# Altium PCB PCB.PcbDoc (part 8 of 10) (continued)
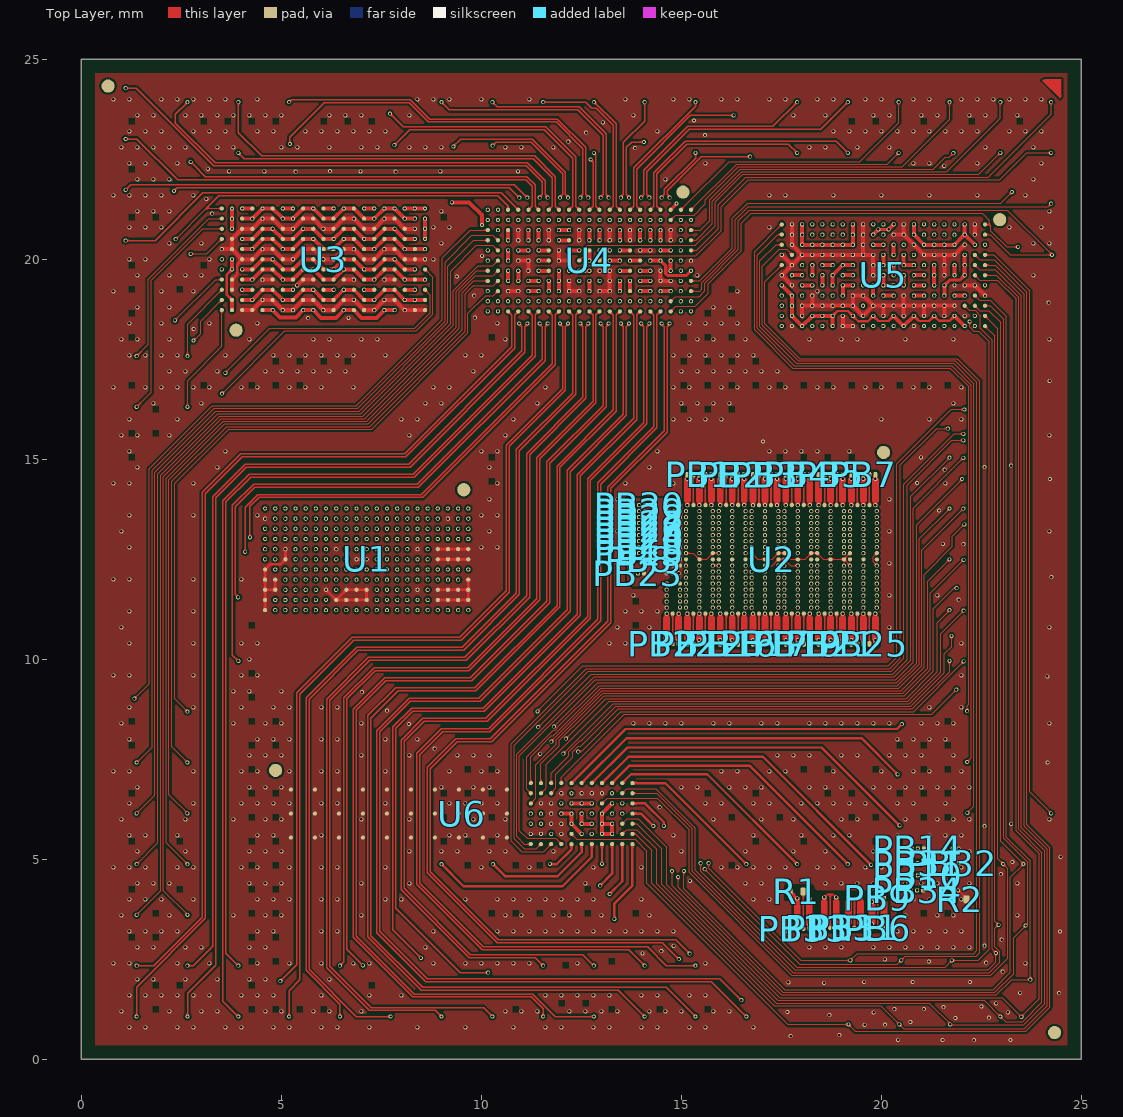
[diagram p0: Top Layer view]
## Nets (pads, with @x,y where several pads share a name; then routed paths per layer and width w, separated by ;. In a path a pad name is that pad's centre, name@x,y a point inside that pad or via, vN(x,y) a via of type N, cw(c..) or ccw(c..) an arc to the next point about the centre after c; other vN are vias at no path point) (continued)
  other v2: 1.8,1 3,1 5,1 5.4,1 6.2,1 11.4,1 11.8,1 12.6,1 13,1 13.8,1 15,1 18.2,1 18.6,1 19,1 19.4,1 19.8,1 20.2,1 20.6,1 21.4,1 22.6,1 23.8,1 1.2,1.4 2,1.4 2.4,1.4 2.8,1.4 4.8,1.4 5.2,1.4 6.4,1.4 15.2,1.4 15.6,1.4 16.8,1.4 17.2,1.4 17.6,1.4 18,1.4 18.4,1.4 19.2,1.4 20.4,1.4 20.8,1.4 21.2,1.4 21.6,1.4 22,1.4 22.4,1.4 23.2,1.4 24,1.4 24.4,1.4 16.221,1.421 1,1.8 1.4,1.8 2.2,1.8 2.6,1.8 3.4,1.8 3.8,1.8 5,1.8 7,1.8 7.4,1.8 7.8,1.8 20.2,1.8 20.6,1.8 21.4,1.8 21.8,1.8 23,1.8 23.8,1.8 24.2,1.8 1.2,2.2 1.6,2.2 2.4,2.2 2.8,2.2 3.2,2.2 3.6,2.2 4.4,2.2 6.4,2.2 7.2,2.2 10.4,2.2 10.8,2.2 23.6,2.2 24,2.2 24.4,2.2 13.786,2.363 14.724,2.49 15.792,2.503 1.4,2.6 2.2,2.6 3,2.6 3.4,2.6 4.2,2.6 6.2,2.6 6.6,2.6 7,2.6 8.2,2.6 9.414,2.601 11.8,2.6 18.2,2.6 18.6,2.6 19.4,2.6 19.8,2.6 20.6,2.6 21,2.6 21.4,2.6 22.2,2.6 22.6,2.6 23.4,2.6 23.8,2.6 24.2,2.6 15.371,2.749 5.109,2.888 1.6,3 2,3 2.8,3 3.2,3 4,3 4.4,3 22.8,3 24.4,3 1.4,3.4 1.8,3.4 2.6,3.4 3.4,3.4 4.2,3.4 7.4,3.4 10.41,3.404 15,3.4 15.4,3.4 15.8,3.4 16.6,3.4 17,3.4 17.4,3.4 19,3.4 20.6,3.4 21,3.4 23.8,3.4 24.2,3.4 4.98,3.453 12.734,3.449 8.474,3.468 1.2,3.8 2,3.8 3.2,3.8 3.6,3.8 4.4,3.8 16.8,3.8 18,3.8 18.4,3.8 18.8,3.8 19.2,3.8 19.6,3.8 21.6,3.8 22,3.8 22.4,3.8 22.8,3.8 23.2,3.8 23.6,3.8 24,3.8 24.4,3.8 11.411,3.98 1,4.2 1.4,4.2 2.6,4.2 3,4.2 3.4,4.2 3.8,4.2 4.2,4.2 13.4,4.2 13.8,4.2 20.2,4.2 20.6,4.2 22.2,4.2 22.6,4.2 23,4.2 23.4,4.2 23.8,4.2 24.2,4.2 20.746,4.224 21.916,4.224 7.572,4.391 9.233,4.545 1.2,4.6 1.6,4.6 3.6,4.6 20.4,4.6 20.762,4.596 21.932,4.596 22.4,4.6 22.8,4.6 23.2,4.6 24,4.6 24.4,4.6 4.861,4.633 12.63,4.879 20.759,4.902 21.929,4.902 3,5 3.4,5 14.2,5 16.2,5 17.4,5 18.6,5 19,5 19.4,5 20.6,5 22.2,5 22.6,5 23.8,5 24.2,5 20.761,5.27 9.162,5.367 1.6,5.4 4,5.4 11.6,5.4 12,5.4 12.4,5.4 12.8,5.4 13.2,5.4 13.6,5.4 15.2,5.4 16,5.4 16.4,5.4 16.8,5.4 17.2,5.4 17.6,5.4 18,5.4 18.4,5.4 18.8,5.4 19.2,5.4 19.6,5.4 20,5.4 20.4,5.4 22,5.4 22.8,5.4 23.6,5.4 24.4,5.4 9.845,5.45 11.365,5.635 11.492,5.635 12,5.635 1.4,5.8 3,5.8 3.4,5.8 15,5.8 16.2,5.8 17,5.8 17.4,5.8 18.2,5.8 18.6,5.8 19,5.8 19.8,5.8 11.746,5.889 1.2,6.2 3.6,6.2 14,6.2 14.4,6.2 14.8,6.2 15.6,6.2 16,6.2 16.4,6.2 16.8,6.2 17.2,6.2 17.6,6.2 18,6.2 18.4,6.2 18.8,6.2 19.2,6.2 19.6,6.2 20,6.2 22,6.2 22.4,6.2 23.2,6.2 23.6,6.2 24,6.2 24.4,6.2 11.492,6.397 11.746,6.397 1,6.6 1.4,6.6 3.4,6.6 3.8,6.6 10.6,6.6 21.8,6.6 22.2,6.6 22.6,6.6 23,6.6 23.4,6.6 23.8,6.6 24.2,6.6 12,6.651 12.508,6.651 12.762,6.651 12.889,6.651 13.016,6.651 1.2,7 3.6,7 12.4,7 12.8,7 22.4,7 22.8,7 23.2,7 23.6,7 24,7 4.854,7.05 3.4,7.4 10.6,7.4 12.6,7.4 21,7.4 22.6,7.4 23,7.4 23.4,7.4 23.8,7.4 2.8,7.8 3.6,7.8 20,7.8 21.2,7.8 21.6,7.8 22.4,7.8 23.2,7.8 23.6,7.8 24,7.8 24.4,7.8 1.4,8.2 3.4,8.2 10.6,8.2 20.2,8.2 21.8,8.2 22.2,8.2 22.6,8.2 23,8.2 23.4,8.2 23.8,8.2 1.2,8.6 2.8,8.6 3.6,8.6 4.868,8.604 10.8,8.6 14.8,8.6 15.6,8.6 16,8.6 16.4,8.6 16.8,8.6 17.2,8.6 17.6,8.6 18,8.6 18.4,8.6 18.8,8.6 20,8.6 20.8,8.6 22.4,8.6 22.8,8.6 23.2,8.6 23.6,8.6 1,9 2.6,9 3.4,9 3.8,9 10.6,9 11,9 16.6,9 17,9 17.4,9 17.8,9 18.2,9 18.6,9 19,9 21,9 22.2,9 22.6,9 23,9 23.4,9 23.8,9 24.2,9 1.2,9.4 3.6,9.4 13.801,9.391 17.2,9.4 18,9.4 18.4,9.4 18.8,9.4 19.2,9.4 19.6,9.4 20.8,9.4 21.6,9.4 22.4,9.4 22.8,9.4 23.2,9.4 24,9.4 9.162,9.443 3.8,9.8 13,9.8 18.6,9.8 19,9.8 19.4,9.8 19.8,9.8 21.8,9.8 22.2,9.8 22.6,9.8 23,9.8 23.4,9.8 23.8,9.8 13.981,9.829 1.6,10.2 4,10.2 12.4,10.2 12.8,10.2 20,10.2 20.4,10.2 21.6,10.2 22.4,10.2 23.2,10.2 23.6,10.2 24,10.2 24.4,10.2 13.904,10.256 1.4,10.6 1.8,10.6 12.6,10.6 13,10.6 13.4,10.6 20.6,10.6 22.2,10.6 22.6,10.6 23,10.6 23.4,10.6 23.8,10.6 1.2,11 1.6,11 2,11 2.4,11 12.4,11 12.8,11 13.2,11 14,11 20.8,11 21.2,11 16.272,11.294 1,11.4 1.4,11.4 2.2,11.4 2.6,11.4 13,11.4 13.4,11.4 14.2,11.4 20.6,11.4 21.4,11.4 22.2,11.4 22.6,11.4 23,11.4 23.8,11.4 24.2,11.4 14.632,11.594 15.452,11.594 17.092,11.594 17.912,11.594 18.732,11.594 19.552,11.594 8.403,11.633 6.118,11.738 1.2,11.8 1.6,11.8 2,11.8 2.4,11.8 3.2,11.8 12.4,11.8 12.8,11.8 13.2,11.8 13.6,11.8 14.4,11.8 21.2,11.8 21.6,11.8 24,11.8 14.632,11.894 19.552,11.894 1.4,12.2 1.8,12.2 2.2,12.2 2.6,12.2 3,12.2 3.4,12.2 12.2,12.2 12.6,12.2 13,12.2 21,12.2 21.8,12.2 22.2,12.2 22.6,12.2 23,12.2 23.4,12.2 24.2,12.2 1.6,12.6 2,12.6 2.8,12.6 3.2,12.6 12,12.6 12.4,12.6 12.8,12.6 13.2,12.6 20.8,12.6 21.2,12.6 22.4,12.6 23.2,12.6 23.6,12.6 24.4,12.6 6.371,12.754 8.922,12.844 1.4,13 1.8,13 2.2,13 2.6,13 3,13 3.4,13 3.8,13 10.6,13 11,13 11.4,13 11.8,13 12.2,13 12.6,13 13,13 13.4,13 19.4,13 20.2,13 20.6,13 21,13 21.4,13 15.452,13.104 19.552,13.104 1.2,13.4 1.6,13.4 2,13.4 2.4,13.4 2.8,13.4 3.2,13.4 3.6,13.4 10.4,13.4 10.8,13.4 11.2,13.4 11.6,13.4 12,13.4 12.4,13.4 12.8,13.4 13.2,13.4 15.452,13.404 16.272,13.404 17.092,13.404 17.912,13.404 18.732,13.404 19.552,13.404 20.4,13.4 20.8,13.4 4.594,13.516 9.165,13.516 1,13.8 1.4,13.8 2.2,13.8 2.6,13.8 3.4,13.8 11,13.8 11.8,13.8 12.2,13.8 13,13.8 20.6,13.8 22.6,13.8 23,13.8 23.8,13.8 1.2,14.2 1.6,14.2 2,14.2 2.4,14.2 3.2,14.2 4.4,14.2 11.2,14.2 11.6,14.2 12,14.2 12.4,14.2 12.8,14.2 13.2,14.2 22,14.2 22.4,14.2 22.8,14.2 23.2,14.2 23.6,14.2 24,14.2 1.4,14.6 1.8,14.6 2.2,14.6 2.6,14.6 3.8,14.6 4.2,14.6 10.2,14.6 11.8,14.6 12.2,14.6 12.6,14.6 13,14.6 13.4,14.6 13.8,14.6 14.2,14.6 21.4,14.6 21.8,14.6 15.294,14.905 1.6,15 2,15 2.4,15 18.8,15 21.2,15 22.4,15 23.2,15 23.6,15 24,15 24.4,15 1.8,15.4 3,15.4 3.4,15.4 11,15.4 18.6,15.4 20.6,15.4 21.8,15.4 23.8,15.4 1.2,15.8 2.8,15.8 22.4,15.8 22.8,15.8 23.2,15.8 24,15.8 1,16.2 2.2,16.2 21,16.2 21.4,16.2 22.6,16.2 1.2,16.6 1.6,16.6 23.6,16.6 24.4,16.6 1.8,17 23.4,17 3.483,17.304 1.2,17.4 2.8,17.4 6.4,17.4 23.2,17.4 23.6,17.4 24.4,17.4 23,17.8 23.4,17.8 23.8,17.8 24.2,17.8 2.968,17.827 2.58,18.163 5.2,18.2 5.6,18.2 6,18.2 6.4,18.2 6.8,18.2 7.2,18.2 17.6,18.2 18.4,18.2 19.2,18.2 20.4,18.2 20.8,18.2 21.2,18.2 23.2,18.2 24,18.2 20.814,18.332 2.2,18.6 7,18.6 10.6,18.6 11.8,18.6 19.544,18.586 20.052,18.586 20.56,18.586 21.068,18.586 21.576,18.586 22.084,18.586 23.8,18.6 24.2,18.6 5.037,18.731 5.164,18.731 5.291,18.731 6.053,18.731 7.073,18.731 7.323,18.731 6.814,18.739 22.8,19 23.2,19 24,19 24.4,19 22.592,19.094 10.67,19.206 12.194,19.206 17.766,19.348 21.83,19.348 23,19.4 23.8,19.4 17.512,19.602 21.576,19.602 4.529,19.652 5.291,19.652 6.053,19.652 6.815,19.652 7.577,19.652 13.072,19.714 4.529,19.752 5.291,19.752 6.053,19.752 6.815,19.752 7.577,19.752 23.2,19.8 24,19.8 24.4,19.8 17.766,19.856 19.798,19.856 15.242,19.968 8.593,20.001 15.242,20.095 17.512,20.11 18.02,20.11 18.528,20.11 19.036,20.11 19.417,20.11 19.544,20.11 19.671,20.11 17.4,20.2 23.8,20.2 14.226,20.222 15.302,20.372 17.766,20.364 10.924,20.476 19.544,20.491 4.529,20.552 5.291,20.552 6.053,20.552 6.815,20.552 7.577,20.552 1.2,20.6 17.6,20.6 23.6,20.6 24,20.6 19.544,20.618 20.56,20.618 4.529,20.652 5.291,20.652 6.053,20.652 6.815,20.652 7.577,20.652 2.396,20.723 13.718,20.73 14.734,20.73 2.72,20.823 22.338,20.872 1,21 17.4,21 17.8,21 19.4,21 20.2,21 20.6,21 22.2,21 22.6,21 24.2,21 1.2,21.4 10,21.4 10.8,21.4 12.8,21.4 17.6,21.4 18,21.4 18.4,21.4 18.8,21.4 19.2,21.4 19.6,21.4 20,21.4 20.4,21.4 20.8,21.4 21.2,21.4 21.6,21.4 22,21.4 22.4,21.4 22.8,21.4 24,21.4 24.4,21.4 5.988,21.55 4.945,21.57 7.049,21.685 7.8,21.8 8.2,21.8 8.6,21.8 14.6,21.8 18.2,21.8 18.6,21.8 19.4,21.8 19.8,21.8 21,21.8 21.8,21.8 22.2,21.8 23.4,21.8 1.2,22.2 2.8,22.2 7.6,22.2 8,22.2 8.4,22.2 15.2,22.2 16.4,22.2 16.8,22.2 24,22.2 24.4,22.2 4.034,22.431 5.23,22.451 6.45,22.451 2.6,22.6 3,22.6 8.2,22.6 8.6,22.6 9.4,22.6 9.8,22.6 10.2,22.6 10.6,22.6 13,22.6 13.4,22.6 13.8,22.6 14.2,22.6 14.6,22.6 15,22.6 22.2,22.6 22.6,22.6 18.773,22.688 19.706,22.698 20.864,22.78 6.4,23 6.8,23 8,23 8.4,23 11.798,23.016 13.2,23 14.4,23 23.6,23 24,23 1,23.4 3,23.4 3.8,23.4 4.2,23.4 4.6,23.4 5,23.4 5.4,23.4 6.6,23.4 7,23.4 15,23.4 15.4,23.4 19,23.4 19.4,23.4 20.2,23.4 20.6,23.4 21,23.4 21.4,23.4 21.8,23.4 22.2,23.4 23,23.4 23.4,23.4 24.2,23.4 8.716,23.736 1.2,23.8 1.6,23.8 2,23.8 5.6,23.8 6,23.8 6.8,23.8 7.2,23.8 10.4,23.8 10.8,23.8 11.2,23.8 12,23.8 12.4,23.8 13.2,23.8 14.4,23.8 15.6,23.8 16,23.8 16.8,23.8 18,23.8 18.8,23.8 20,23.8 21.2,23.8 22.4,23.8 23.2,23.8 24.4,23.8 1.4,24.2 1.8,24.2 3,24.2 4.2,24.2 5.4,24.2 6.6,24.2 7.8,24.2 9,24.2 10.2,24.2 11.4,24.2 12.6,24.2 13.8,24.2 15,24.2 16.2,24.2 17.4,24.2 18.6,24.2 19.8,24.2 21,24.2 22.2,24.2 23.4,24.2
  other v3: 12,0.8 13.2,0.8 14.4,0.8 15.6,0.8 16.8,0.8 1.8,1.2 3,1.2 4.2,1.2 5.4,1.2 9.4,1.2 10.6,1.2 11.8,1.2 17,1.2 18.2,1.2 19.4,1.2 23.4,1.2 0.8,1.6 1.6,1.6 2,1.6 2.8,1.6 3.2,1.6 4,1.6 4.4,1.6 5.2,1.6 5.6,1.6 6.4,1.6 6.8,1.6 7.6,1.6 8,1.6 8.8,1.6 9.2,1.6 10.4,1.6 11.6,1.6 12.4,1.6 12.8,1.6 13.6,1.6 14,1.6 14.8,1.6 15.2,1.6 16,1.6 16.4,1.6 17.2,1.6 18.4,1.6 19.6,1.6 20,1.6 20.8,1.6 21.2,1.6 22,1.6 22.4,1.6 23.2,1.6 23.6,1.6 1.8,2 3,2 4.2,2 5.4,2 6.6,2 22.2,2 23.4,2 5.6,2.4 6.8,2.4 8,2.4 13.2,2.4 14.4,2.4 15.6,2.4 20.8,2.4 22,2.4 23.2,2.4 1.4,2.8 1.8,2.8 3,2.8 4.2,2.8 4.6,2.8 5.4,2.8 5.8,2.8 6.6,2.8 7,2.8 7.8,2.8 8.2,2.8 9,2.8 9.4,2.8 10.6,2.8 11.8,2.8 12.2,2.8 13,2.8 13.4,2.8 14.2,2.8 14.6,2.8 15.4,2.8 15.8,2.8 16.6,2.8 17,2.8 18.2,2.8 19.4,2.8 19.8,2.8 20.6,2.8 21,2.8 21.8,2.8 22.2,2.8 23,2.8 23.4,2.8 9.6,3.2 10.8,3.2 12,3.2 13.2,3.2 14.4,3.2 15.6,3.2 16.8,3.2 18,3.2 19.2,3.2 1.8,3.6 3,3.6 4.2,3.6 9.4,3.6 10.6,3.6 11.8,3.6 17,3.6 18.2,3.6 19.4,3.6 1.6,4 2.8,4 3.2,4 4,4 4.4,4 5.6,4 6.8,4 8,4 9.2,4 10.4,4 10.8,4 11.6,4 12,4 13.2,4 14.4,4 15.6,4 16.8,4 17.2,4 18,4 18.4,4 19.6,4 20.8,4 22,4 23.2,4 1.8,4.4 3,4.4 4.2,4.4 5.4,4.4 6.6,4.4 7.8,4.4 9,4.4 10.2,4.4 18.6,4.4 19.8,4.4 21,4.4 22.2,4.4 23.4,4.4 1.6,4.8 5.6,4.8 6.8,4.8 8,4.8 13.2,4.8 14.4,4.8 15.6,4.8 20.8,4.8 22,4.8 23.2,4.8 1.8,5.2 3,5.2 4.2,5.2 5.4,5.2 6.6,5.2 8.2,5.2 9.4,5.2 10.6,5.2 11.8,5.2 13,5.2 14.2,5.2 14.6,5.2 15.8,5.2 17,5.2 18.2,5.2 19.4,5.2 20.6,5.2 22.2,5.2 23.4,5.2 1.8,6 3,6 4.2,6 5.4,6 8.2,6 9.4,6 10.6,6 11.8,6 13,6 15.8,6 17,6 18.2,6 19.4,6 23.4,6 7.32,6.05 7.52,6.05 8.59,6.05 8.79,6.05 9.86,6.05 10.06,6.05 11.13,6.05 11.33,6.05 12.4,6.05 12.6,6.05 13.67,6.05 13.87,6.05 14.94,6.05 15.14,6.05 16.21,6.05 16.41,6.05 17.48,6.05 17.68,6.05 18.75,6.05 18.95,6.05 7.32,6.25 7.52,6.25 8.59,6.25 8.79,6.25 9.86,6.25 10.06,6.25 11.13,6.25 11.33,6.25 12.4,6.25 12.6,6.25 13.67,6.25 13.87,6.25 14.94,6.25 15.14,6.25 16.21,6.25 16.41,6.25 17.48,6.25 17.68,6.25 18.75,6.25 18.95,6.25 1.6,6.4 4.4,6.4 5.6,6.4 6.8,6.4 8,6.4 9.2,6.4 10.4,6.4 10.8,6.4 12,6.4 13.2,6.4 14.4,6.4 15.6,6.4 16.8,6.4 17.2,6.4 18,6.4 18.4,6.4 19.6,6.4 20.8,6.4 22,6.4 23.2,6.4 1.6,7.2 5.6,7.2 6.8,7.2 8,7.2 9.2,7.2 10.4,7.2 10.8,7.2 12,7.2 13.2,7.2 14.4,7.2 15.6,7.2 16.8,7.2 18,7.2 18.4,7.2 19.6,7.2 20.8,7.2 22,7.2 23.2,7.2 6.05,7.32 6.25,7.32 7.32,7.32 7.52,7.32 8.59,7.32 8.79,7.32 9.86,7.32 10.06,7.32 11.13,7.32 11.33,7.32 12.4,7.32 12.6,7.32 13.67,7.32 13.87,7.32 14.94,7.32 15.14,7.32 17.48,7.32 17.68,7.32 18.75,7.32 18.95,7.32 6.05,7.52 6.25,7.52 7.32,7.52 7.52,7.52 8.59,7.52 8.79,7.52 9.86,7.52 10.06,7.52 11.13,7.52 11.33,7.52 12.4,7.52 12.6,7.52 13.67,7.52 13.87,7.52 14.94,7.52 15.14,7.52 17.48,7.52 17.68,7.52 18.75,7.52 18.95,7.52 1.8,7.6 3,7.6 4.2,7.6 5.4,7.6 6.6,7.6 8.2,7.6 9.4,7.6 10.6,7.6 11.8,7.6 13,7.6 15.8,7.6 17,7.6 18.2,7.6 19.4,7.6 23.4,7.6 1.8,8.4 3,8.4 4.2,8.4 10.6,8.4 11.8,8.4 13,8.4 13.4,8.4 14.2,8.4 15.8,8.4 17,8.4 18.2,8.4 19.4,8.4 20.6,8.4 22.2,8.4 23.4,8.4 9.86,8.59 10.06,8.59 12.4,8.59 12.6,8.59 13.67,8.59 13.87,8.59 16.21,8.59 16.41,8.59 18.75,8.59 18.95,8.59 1.6,8.8 9.86,8.79 10.06,8.79 12,8.8 12.6,8.79 13.2,8.8 13.67,8.79 13.87,8.79 14.4,8.8 15.6,8.8 16.21,8.79 16.8,8.8 18.4,8.8 18.75,8.79 18.95,8.79 20.8,8.8 22,8.8 23.2,8.8 1.6,9.6 2.8,9.6 3.2,9.6 4.4,9.6 10.4,9.6 10.8,9.6 11.6,9.6 12,9.6 13.2,9.6 14.4,9.6 15.6,9.6 16.8,9.6 17.2,9.6 18,9.6 18.4,9.6 19.6,9.6 20.8,9.6 22,9.6 23.2,9.6 11.13,9.86 11.33,9.86 13.67,9.86 13.87,9.86 14.94,9.86 15.14,9.86 17.48,9.86 17.68,9.86 1.8,10 3,10 4.2,10 10.6,10 11.8,10 17,10 18.2,10 19.4,10 11.13,10.06 11.33,10.06 13.67,10.06 13.87,10.06 14.94,10.06 15.14,10.06 17.48,10.06 17.68,10.06 9.6,10.4 10.8,10.4 12,10.4 13.2,10.4 14.4,10.4 15.6,10.4 16.8,10.4 18,10.4 19.2,10.4 1.4,10.8 1.8,10.8 3,10.8 4.2,10.8 9.8,10.8 10.2,10.8 10.6,10.8 11.8,10.8 12.2,10.8 13,10.8 13.4,10.8 14.2,10.8 14.6,10.8 15.4,10.8 15.8,10.8 16.6,10.8 17,10.8 18.2,10.8 19.4,10.8 19.8,10.8 20.6,10.8 21,10.8 21.8,10.8 22.2,10.8 23,10.8 23.4,10.8 9.86,11.13 10.06,11.13 12.4,11.13 12.6,11.13 13.67,11.13 13.87,11.13 16.21,11.13 16.41,11.13 12,11.2 13.2,11.2 14.4,11.2 15.6,11.2 16.8,11.2 20.8,11.2 22,11.2 23.2,11.2 9.86,11.33 10.06,11.33 12.4,11.33 12.6,11.33 13.67,11.33 13.87,11.33 16.21,11.33 16.41,11.33 1.8,11.6 3,11.6 4.2,11.6 21,11.6 22.2,11.6 23.4,11.6 0.8,12 1.6,12 2,12 2.8,12 3.2,12 4,12 4.4,12 4.8,12 5.2,12 10.4,12 10.8,12 11.2,12 11.6,12 12,12 12.8,12 13.2,12 13.6,12 14,12 14.4,12 14.8,12 15.6,12 16,12 16.8,12 17.2,12 17.6,12 18,12 18.4,12 19.2,12 19.6,12 20.4,12 20.8,12 21.2,12 21.6,12 22,12 22.4,12 23.2,12 23.6,12 1.8,12.4 3,12.4 4.2,12.4 4.78,12.4 4.98,12.4 10.6,12.4 11.13,12.4 11.33,12.4 11.8,12.4 13.67,12.4 13.87,12.4 17,12.4 17.48,12.4 17.68,12.4 18.2,12.4 19.4,12.4 23.4,12.4 4.78,12.6 4.98,12.6 11.13,12.6 11.33,12.6 13.67,12.6 13.87,12.6 17.48,12.6 17.68,12.6 12,12.8 13.2,12.8 14.4,12.8 15.6,12.8 16.8,12.8 18,12.8 1,13.2 1.8,13.2 2.2,13.2 3,13.2 3.4,13.2 4.2,13.2 4.6,13.2 11.4,13.2 11.8,13.2 12.6,13.2 13,13.2 13.8,13.2 14.2,13.2 15,13.2 15.4,13.2 16.2,13.2 16.6,13.2 17.4,13.2 17.8,13.2 18.6,13.2 19,13.2 19.8,13.2 20.2,13.2 21,13.2 21.4,13.2 22.2,13.2 22.6,13.2 23.4,13.2 23.8,13.2 1.6,13.6 13.2,13.6 14.4,13.6 15.6,13.6 16.8,13.6 19.6,13.6 20.8,13.6 22,13.6 23.2,13.6 13.67,13.67 13.87,13.67 16.21,13.67 16.41,13.67 13.67,13.87 13.87,13.87 16.21,13.87 16.41,13.87 1.8,14 3,14 4.2,14 13,14 23.4,14 1.2,14.4 1.6,14.4 2.4,14.4 2.8,14.4 3.6,14.4 4,14.4 4.8,14.4 5.2,14.4 13.2,14.4 13.6,14.4 14.4,14.4 14.8,14.4 15.6,14.4 16,14.4 16.8,14.4 17.2,14.4 18,14.4 18.4,14.4 19.2,14.4 19.6,14.4 20.4,14.4 20.8,14.4 21.6,14.4 22,14.4 22.8,14.4 23.2,14.4 24,14.4 1.8,14.8 3,14.8 4.2,14.8 13,14.8 15.8,14.8 17,14.8 18.2,14.8 19.4,14.8 20.6,14.8 23.4,14.8 14.94,14.94 15.14,14.94 17.48,14.94 17.68,14.94 14.94,15.14 15.14,15.14 17.48,15.14 17.68,15.14 14.4,15.2 15.6,15.2 1,15.6 1.8,15.6 2.2,15.6 3,15.6 3.4,15.6 4.2,15.6 4.6,15.6 13.8,15.6 14.2,15.6 15,15.6 15.4,15.6 16.2,15.6 16.6,15.6 17.4,15.6 17.8,15.6 18.6,15.6 19,15.6 19.8,15.6 20.2,15.6 21,15.6 21.4,15.6 22.2,15.6 22.6,15.6 23.4,15.6 23.8,15.6 1.6,16 2.8,16 4.4,16 14.4,16 15.6,16 16.8,16 18.4,16 19.6,16 20.8,16 22,16 23.2,16 4.78,16.21 4.98,16.21 16.21,16.21 16.41,16.21 1.8,16.4 3,16.4 4.2,16.4 4.78,16.41 4.98,16.41 16.41,16.41 23.4,16.4 1.6,16.8 2.8,16.8 4,16.8 15.6,16.8 16,16.8 16.8,16.8 17.2,16.8 18,16.8 18.4,16.8 19.2,16.8 19.6,16.8 20.4,16.8 22,16.8 23.2,16.8 1.8,17.2 3,17.2 4.2,17.2 15.8,17.2 17,17.2 18.2,17.2 19.4,17.2 22.2,17.2 23.4,17.2 17.48,17.48 17.68,17.48 23.2,17.6 17.48,17.68 17.68,17.68 1.8,18 3,18 17,18 18.2,18 19.4,18 21.8,18 22.2,18 23,18 23.4,18 1.6,18.4 2,18.4 2.8,18.4 3.2,18.4 18,18.4 19.2,18.4 23.2,18.4 23.6,18.4 1.8,18.8 3,18.8 18.2,18.8 1.6,19.2 2.8,19.2 3.2,19.2 22,19.2 23.2,19.2 1.4,19.6 1.8,19.6 2.2,19.6 2.6,19.6 3,19.6 3.4,19.6 3.8,19.6 21.8,19.6 23,19.6 23.4,19.6 23.8,19.6 24.2,19.6 10.483,19.948 1.6,20 23.2,20 1.8,20.4 3,20.4 22.2,20.4 23.4,20.4 1.2,20.8 1.6,20.8 2.4,20.8 2.8,20.8 3.6,20.8 20.4,20.8 20.8,20.8 21.6,20.8 22,20.8 22.8,20.8 23.2,20.8 24,20.8 19.544,20.872 1.8,21.2 3,21.2 23.4,21.2 1.6,21.6 20.8,21.6 22,21.6 23.2,21.6 1,22 1.8,22 2.2,22 3,22 3.4,22 4.2,22 4.6,22 19.8,22 20.2,22 21,22 22.2,22 22.6,22 23.4,22 23.8,22 12,22.4 13.2,22.4 14.4,22.4 15.6,22.4 16.8,22.4 1.8,22.8 3,22.8 4.2,22.8 5.4,22.8 9.4,22.8 10.6,22.8 11.8,22.8 17,22.8 18.2,22.8 19.4,22.8 23.4,22.8 1.2,23.2 1.6,23.2 2.4,23.2 2.8,23.2 3.6,23.2 4,23.2 4.8,23.2 5.2,23.2 6,23.2 6.4,23.2 7.2,23.2 7.6,23.2 8.4,23.2 8.8,23.2 9.6,23.2 10,23.2 10.8,23.2 11.2,23.2 12,23.2 12.4,23.2 13.2,23.2 13.6,23.2 14.4,23.2 14.8,23.2 15.6,23.2 16,23.2 16.8,23.2 17.2,23.2 18,23.2 18.4,23.2 19.2,23.2 19.6,23.2 20.4,23.2 20.8,23.2 21.6,23.2 22,23.2 22.8,23.2 23.2,23.2 24,23.2 1.8,23.6 3,23.6 4.2,23.6 5.4,23.6 6.6,23.6 22.2,23.6 23.4,23.6 5.6,24 6.8,24 8,24 13.2,24 14.4,24 15.6,24 20.8,24 22,24 23.2,24
  other v4: 1.8,1 2.2,1 3,1 3.4,1 4.2,1 4.6,1 5.4,1 5.8,1 6.6,1 7,1 7.8,1 8.2,1 9.4,1 9.8,1 10.6,1 11,1 11.8,1 12.2,1 13,1 13.4,1 14.2,1 14.6,1 15.4,1 15.8,1 17,1 17.4,1 18.2,1 18.6,1 19.4,1 19.8,1 20.6,1 21,1 21.8,1 22.2,1 23,1 23.4,1 1,1.8 2.2,1.8 3.4,1.8 4.6,1.8 5.8,1.8 7,1.8 8.2,1.8 9.4,1.8 10.6,1.8 11.8,1.8 13,1.8 14.2,1.8 15.4,1.8 16.6,1.8 17.8,1.8 19,1.8 20.2,1.8 21.4,1.8 22.6,1.8 23.8,1.8 1.6,2.2 2,2.2 2.8,2.2 3.2,2.2 4,2.2 4.4,2.2 4.8,2.2 5.2,2.2 5.6,2.2 6,2.2 6.8,2.2 7.2,2.2 8,2.2 8.4,2.2 9.2,2.2 9.6,2.2 10.4,2.2 10.8,2.2 11.6,2.2 12,2.2 12.4,2.2 12.8,2.2 13.2,2.2 13.6,2.2 14.4,2.2 14.8,2.2 15.6,2.2 16,2.2 16.8,2.2 17.2,2.2 18,2.2 18.4,2.2 19.2,2.2 19.6,2.2 20,2.2 20.4,2.2 20.8,2.2 21.2,2.2 22,2.2 22.4,2.2 23.2,2.2 23.6,2.2 24.4,2.2 10.2,2.6 11.4,2.6 12.6,2.6 13.8,2.6 15,2.6 16.2,2.6 17.4,2.6 18.6,2.6 1.6,3 2.8,3 4,3 5.2,3 6,3 6.4,3 6.8,3 7.2,3 7.6,3 8,3 8.4,3 8.8,3 9.2,3 9.6,3 10,3 10.4,3 10.8,3 11.2,3 11.6,3 12,3 12.4,3 12.8,3 13.2,3 13.6,3 14.8,3 16,3 17.2,3 18.4,3 19.6,3 20.8,3 22,3 23.2,3 24.4,3 1,3.4 1.4,3.4 1.8,3.4 2.2,3.4 2.6,3.4 3,3.4 3.4,3.4 3.8,3.4 4.2,3.4 4.6,3.4 5,3.4 5.4,3.4 5.8,3.4 6.2,3.4 6.6,3.4 7,3.4 7.4,3.4 8.2,3.4 8.6,3.4 9,3.4 9.4,3.4 9.8,3.4 10.2,3.4 10.6,3.4 11,3.4 11.4,3.4 11.8,3.4 12.6,3.4 13,3.4 13.8,3.4 14.2,3.4 14.6,3.4 15,3.4 15.4,3.4 15.8,3.4 16.2,3.4 16.6,3.4 17,3.4 17.4,3.4 17.8,3.4 18.2,3.4 18.6,3.4 19,3.4 19.4,3.4 19.8,3.4 20.2,3.4 20.6,3.4 21,3.4 21.4,3.4 21.8,3.4 22.2,3.4 22.6,3.4 23,3.4 23.4,3.4 23.8,3.4 24.2,3.4 1.2,3.8 2.4,3.8 3.6,3.8 4.8,3.8 6,3.8 7.2,3.8 8.4,3.8 9.6,3.8 10.8,3.8 12,3.8 13.2,3.8 20.4,3.8 21.6,3.8 22.8,3.8 24,3.8 1,4.2 2.2,4.2 3.4,4.2 4.6,4.2 5.4,4.2 5.8,4.2 6.6,4.2 7,4.2 7.8,4.2 8.2,4.2 8.6,4.2 9,4.2 9.4,4.2 9.8,4.2 10.2,4.2 10.6,4.2 11,4.2 11.4,4.2 11.8,4.2 12.2,4.2 12.6,4.2 13,4.2 13.4,4.2 14.2,4.2 15.4,4.2 16.6,4.2 17.8,4.2 19,4.2 20.2,4.2 21.4,4.2 22.6,4.2 23.8,4.2 1.2,4.6 1.6,4.6 2,4.6 2.4,4.6 2.8,4.6 3.2,4.6 3.6,4.6 4,4.6 4.4,4.6 4.8,4.6 5.2,4.6 5.6,4.6 6,4.6 6.4,4.6 6.8,4.6 7.2,4.6 7.6,4.6 8,4.6 8.4,4.6 9.2,4.6 9.6,4.6 10.4,4.6 10.8,4.6 11.6,4.6 12,4.6 12.8,4.6 13.2,4.6 13.6,4.6 14,4.6 14.4,4.6 14.8,4.6 15.2,4.6 15.6,4.6 16,4.6 16.4,4.6 16.8,4.6 17.2,4.6 17.6,4.6 18,4.6 18.4,4.6 18.8,4.6 19.2,4.6 19.6,4.6 20,4.6 20.4,4.6 20.8,4.6 21.2,4.6 21.6,4.6 22,4.6 22.4,4.6 22.8,4.6 23.2,4.6 23.6,4.6 24,4.6 24.4,4.6 7.8,5 9,5 9.8,5 11,5 13,5 14.2,5 15.4,5 16.2,5 17.4,5 18.6,5 19.8,5 1.6,5.4 2.8,5.4 4,5.4 5.2,5.4 6.4,5.4 7.6,5.4 8.8,5.4 9.6,5.4 16.8,5.4 17.2,5.4 18.4,5.4 19.6,5.4 20.8,5.4 22,5.4 23.2,5.4 24.4,5.4 1,5.8 1.4,5.8 1.8,5.8 2.2,5.8 2.6,5.8 3,5.8 3.4,5.8 3.8,5.8 4.2,5.8 4.6,5.8 5,5.8 5.4,5.8 5.8,5.8 6.2,5.8 6.6,5.8 7,5.8 7.4,5.8 7.8,5.8 8.2,5.8 8.6,5.8 9,5.8 9.4,5.8 17.4,5.8 17.8,5.8 18.2,5.8 18.6,5.8 19,5.8 19.4,5.8 19.8,5.8 20.2,5.8 20.6,5.8 21,5.8 21.4,5.8 21.8,5.8 22.2,5.8 22.6,5.8 23,5.8 23.4,5.8 23.8,5.8 24.2,5.8 1.6,6.2 2.8,6.2 4,6.2 6,6.2 24.4,6.2 1,6.6 2.2,6.6 3.4,6.6 4.6,6.6 5.8,6.6 7,6.6 8.2,6.6 8.6,6.6 18.2,6.6 19,6.6 20.2,6.6 21.4,6.6 22.6,6.6 23.8,6.6 1.2,7 1.6,7 2,7 2.4,7 2.8,7 3.2,7 3.6,7 4,7 4.4,7 4.8,7 5.2,7 5.6,7 6,7 6.4,7 6.8,7 7.2,7 7.6,7 8,7 12,7 12.4,7 12.8,7 13.2,7 13.6,7 18.4,7 18.8,7 19.2,7 19.6,7 20,7 20.4,7 20.8,7 21.2,7 21.6,7 22,7 22.4,7 22.8,7 23.2,7 23.6,7 24,7 24.4,7 7.8,7.4 11.4,7.4 1.6,7.8 2.8,7.8 4,7.8 5.2,7.8 6.4,7.8 7.2,7.8 11.2,7.8 11.6,7.8 12.4,7.8 18.8,7.8 19.6,7.8 20.8,7.8 22,7.8 23.2,7.8 24.4,7.8 1,8.2 1.4,8.2 1.8,8.2 2.2,8.2 2.6,8.2 3,8.2 3.4,8.2 3.8,8.2 4.2,8.2 4.6,8.2 5,8.2 5.4,8.2 10.6,8.2 12.2,8.2 12.6,8.2 19.4,8.2 19.8,8.2 20.2,8.2 20.6,8.2 21,8.2 21.4,8.2 21.8,8.2 22.2,8.2 22.6,8.2 23,8.2 23.4,8.2 23.8,8.2 24.2,8.2 1.6,8.6 2.8,8.6 4,8.6 23.2,8.6 24.4,8.6 1,9 2.2,9 3.4,9 4.6,9 9.8,9 20.2,9 21.4,9 22.6,9 23.8,9 1.2,9.4 1.6,9.4 2,9.4 2.4,9.4 2.8,9.4 3.2,9.4 3.6,9.4 4,9.4 4.4,9.4 4.8,9.4 5.2,9.4 20.4,9.4 20.8,9.4 21.2,9.4 21.6,9.4 22,9.4 22.4,9.4 22.8,9.4 23.2,9.4 23.6,9.4 24,9.4 24.4,9.4 1,9.8 2.2,9.8 21.4,9.8 22.6,9.8 1.6,10.2 2,10.2 2.4,10.2 2.8,10.2 3.2,10.2 3.6,10.2 4,10.2 4.4,10.2 4.8,10.2 21.2,10.2 22,10.2 23.2,10.2 24.4,10.2 1,10.6 1.4,10.6 1.8,10.6 2.2,10.6 2.6,10.6 3,10.6 3.4,10.6 3.8,10.6 4.2,10.6 4.6,10.6 21.8,10.6 22.2,10.6 22.6,10.6 23,10.6 23.4,10.6 23.8,10.6 24.2,10.6 4,11 24.4,11 1,11.4 1.8,11.4 2.2,11.4 3.4,11.4 22.6,11.4 23.8,11.4 1.2,11.8 1.6,11.8 2,11.8 2.4,11.8 2.8,11.8 3.2,11.8 3.6,11.8 22.8,11.8 23.2,11.8 23.6,11.8 24,11.8 24.4,11.8 1.6,12.6 2.8,12.6 14.4,12.6 23.6,12.6 24.4,12.6 1,13 1.4,13 1.8,13 2.2,13 2.6,13 3,13 3.4,13 3.8,13 14.6,13 24.2,13 2.4,13.4 3.6,13.4 1.8,13.8 3.4,13.8 1.2,14.2 1.6,14.2 2,14.2 2.4,14.2 2.8,14.2 3.2,14.2 3.6,14.2 24,14.2 24.4,14.2 1.8,14.6 3,14.6 1.6,15 2.8,15 24.4,15 1,15.4 1.4,15.4 1.8,15.4 2.2,15.4 2.6,15.4 3,15.4 3.4,15.4 3.8,15.4 24.2,15.4 2.4,15.8 3.6,15.8 1.4,16.2 1.8,16.2 2.2,16.2 3.4,16.2 1.2,16.6 1.6,16.6 2,16.6 2.4,16.6 2.8,16.6 3.2,16.6 3.6,16.6 24,16.6 24.4,16.6 1.8,17 1.2,17.4 1.6,17.4 2,17.4 2.4,17.4 2.8,17.4 3.6,17.4 24.4,17.4 1,17.8 1.4,17.8 1.8,17.8 2.2,17.8 2.6,17.8 3,17.8 3.4,17.8 3.8,17.8 24.2,17.8 1,18.6 1.4,18.6 1.8,18.6 2.2,18.6 2.6,18.6 3.4,18.6 3.8,18.6 1.6,19 2,19 2.8,19 3.2,19 24.4,19 1.2,19.8 1.6,19.8 2.4,19.8 2.8,19.8 3.2,19.8 24,19.8 24.4,19.8 1.8,20.2 2.2,20.2 3,20.2 3.4,20.2 3.6,20.6 19.544,20.872 1,21 2.2,21 3.4,21 23.4,21 23.8,21 24.2,21 1.6,21.4 2,21.4 2.8,21.4 3.2,21.4 23.2,21.4 23.6,21.4 24.4,21.4 4.2,21.8 23.4,21.8 1.6,22.2 2.8,22.2 4,22.2 22,22.2 22.4,22.2 22.8,22.2 23.2,22.2 23.6,22.2 24.4,22.2 1.8,22.6 3,22.6 3.4,22.6 4.2,22.6 4.6,22.6 5.4,22.6 5.8,22.6 6.6,22.6 7,22.6 7.8,22.6 8.2,22.6 9.4,22.6 9.8,22.6 11.8,22.6 13,22.6 13.4,22.6 14.2,22.6 15.4,22.6 17.4,22.6 18.6,22.6 19.4,22.6 19.8,22.6 20.6,22.6 21,22.6 21.8,22.6 22.2,22.6 23.4,22.6 10.8,23 12,23 13.2,23 14.4,23 15.6,23 16.8,23 18,23 1,23.4 2.2,23.4 3.4,23.4 4.6,23.4 5.8,23.4 7,23.4 8.2,23.4 9.4,23.4 10.6,23.4 11.8,23.4 13,23.4 14.2,23.4 15.4,23.4 16.6,23.4 17.8,23.4 19,23.4 20.2,23.4 21.4,23.4 22.6,23.4 23.8,23.4 1.6,23.8 2,23.8 2.8,23.8 3.2,23.8 4,23.8 4.4,23.8 5.2,23.8 5.6,23.8 6,23.8 6.8,23.8 7.2,23.8 8,23.8 8.4,23.8 9.2,23.8 9.6,23.8 10.4,23.8 10.8,23.8 11.6,23.8 12,23.8 12.4,23.8 12.8,23.8 13.2,23.8 13.6,23.8 14.4,23.8 14.8,23.8 15.6,23.8 16,23.8 16.8,23.8 17.2,23.8 18,23.8 18.4,23.8 19.2,23.8 19.6,23.8 20,23.8 20.8,23.8 21.2,23.8 22,23.8 22.4,23.8 23.2,23.8 23.6,23.8 24.4,23.8 10.2,24.2 11.4,24.2 12.6,24.2 13.8,24.2 15,24.2 16.2,24.2 17.4,24.2 18.6,24.2